# Altium PCB BTF16_2 (2).PcbDoc (part 1 of 4) (continued)
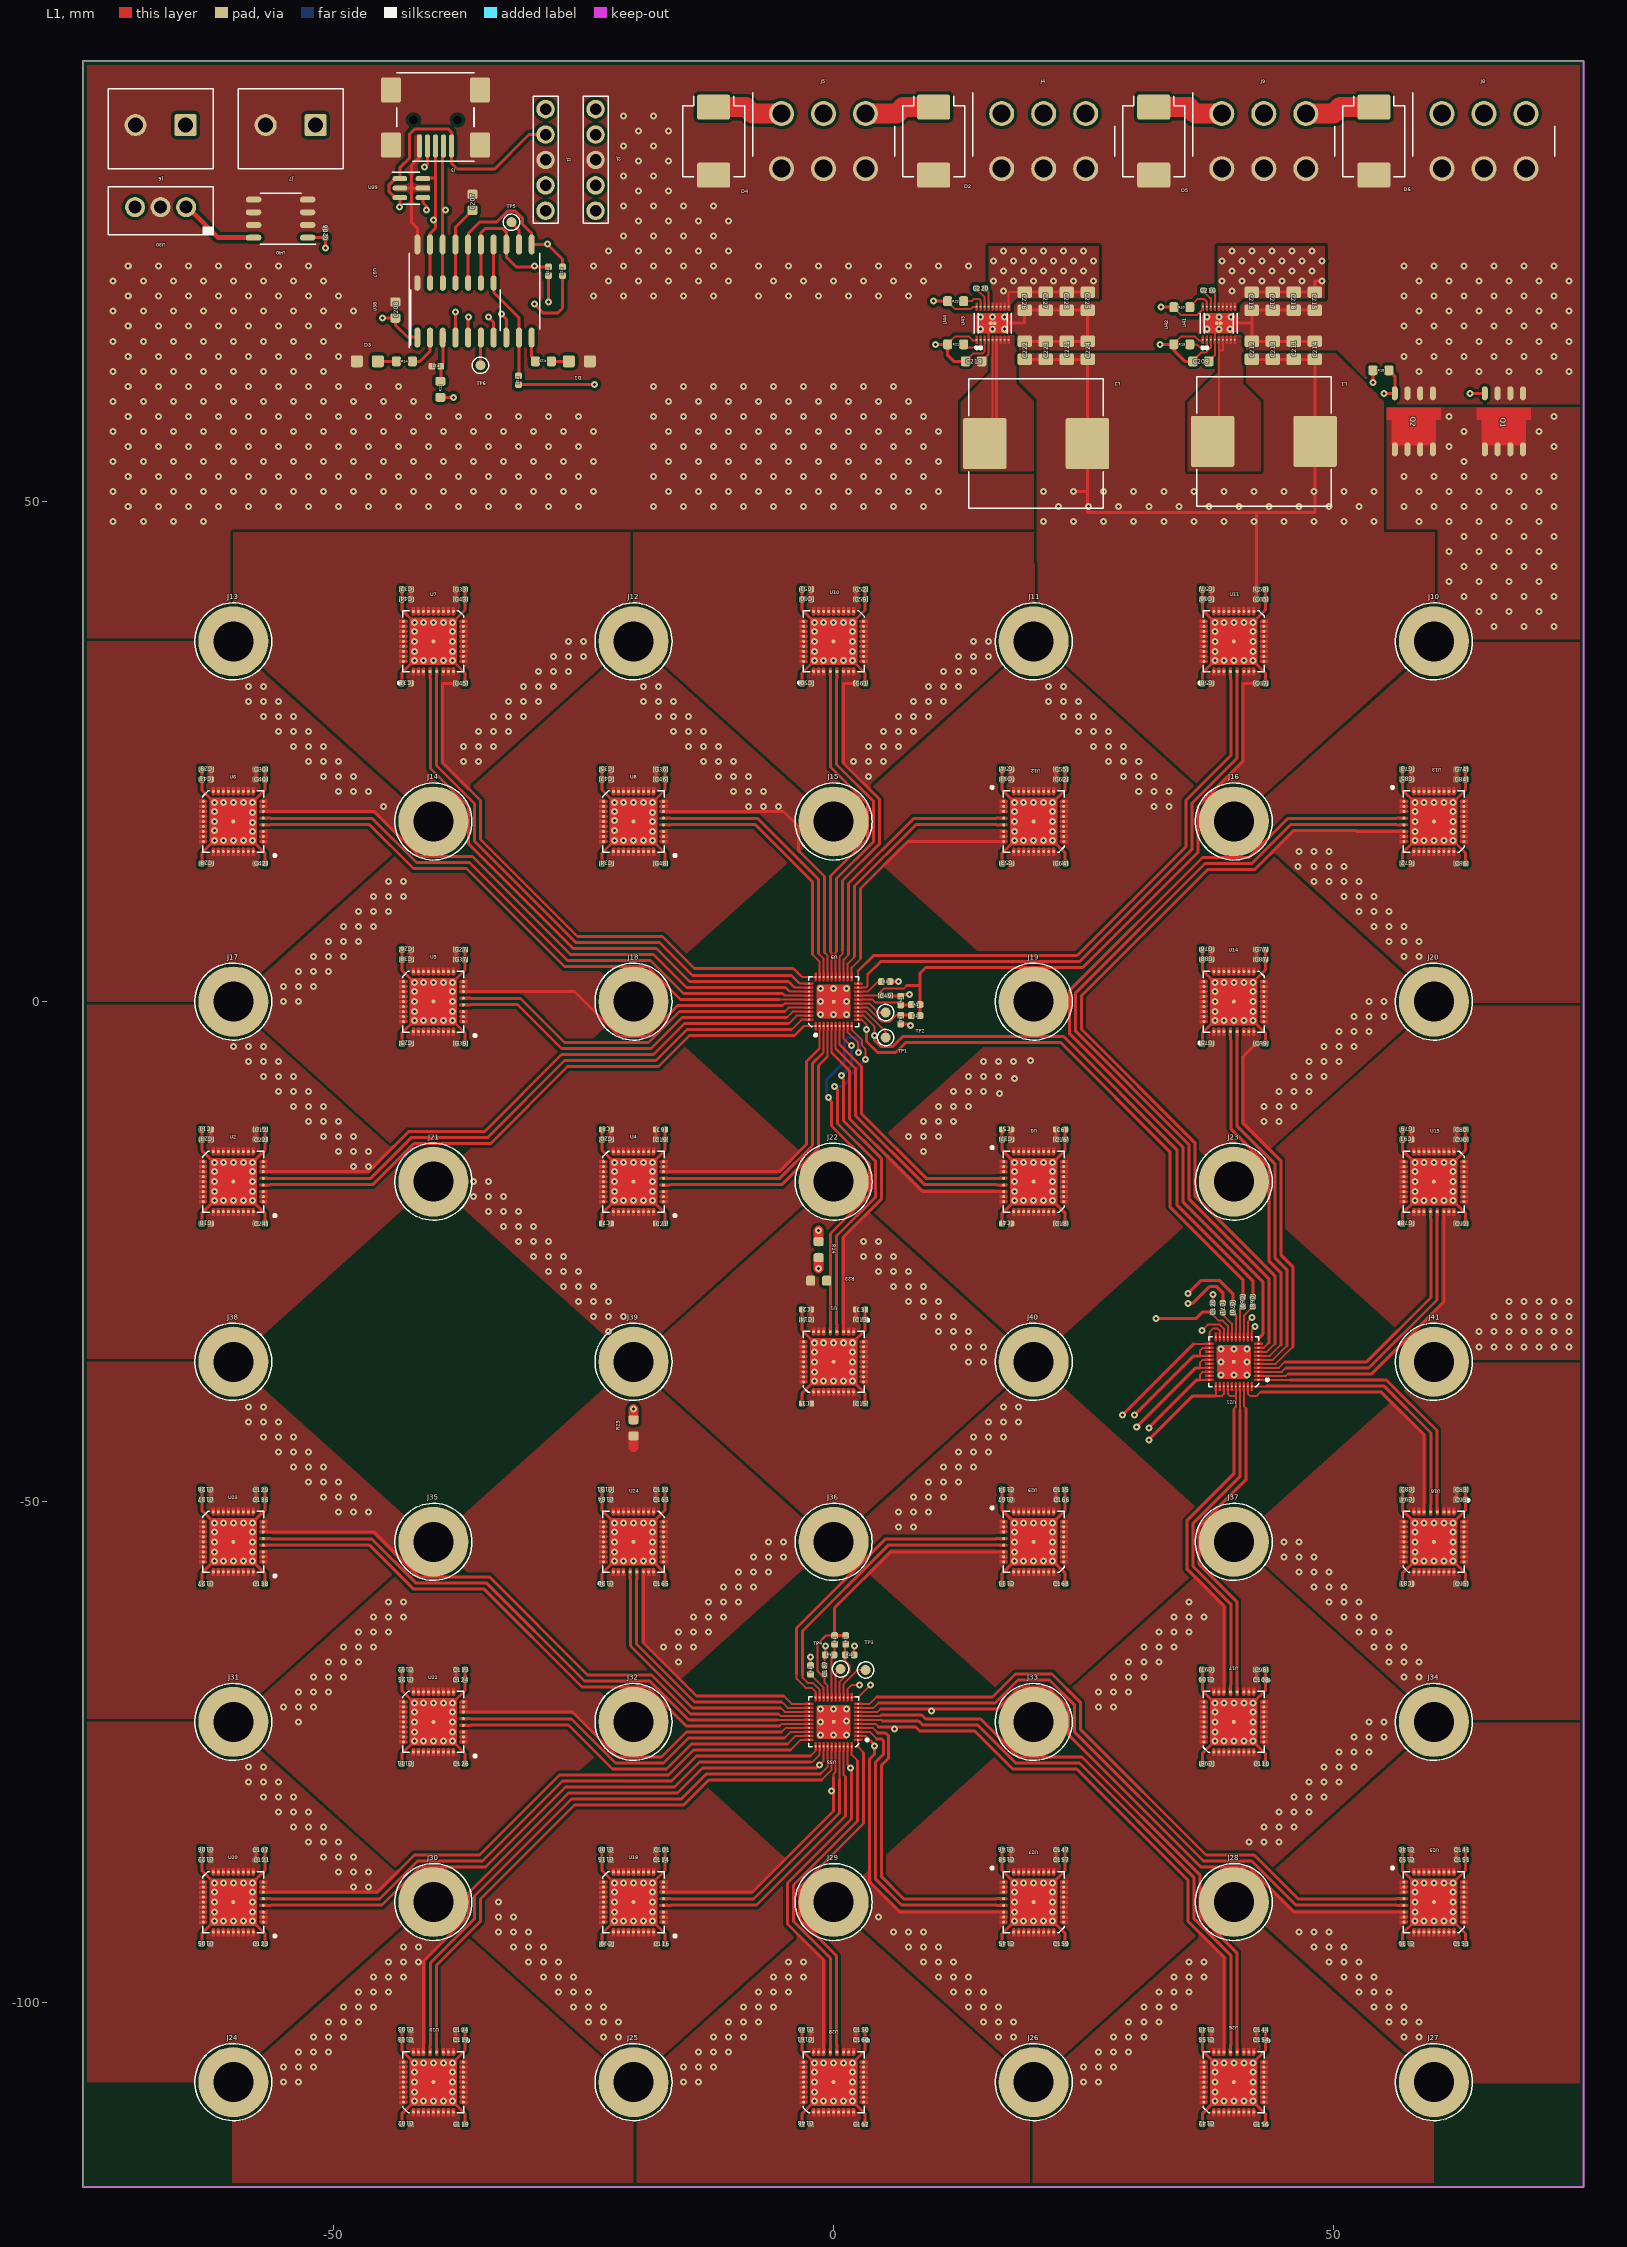
[diagram p0: L1 view]
## Design rules (kind name [scope] priority, off if disabled: settings) (continued)
PolygonConnect "Polygon Connect Style - L4 Square thru-hole pad from global defaults" [IsPad And OnMultiLayer And ((PadShape_BottomLayer = 'Rectangular') Or (PadShape_BottomLayer = 'Octagonal') Or (PadShape_BottomLayer = 'Rounded Rectangle')) And (PadXSize_BottomLayer = PADYSize_BottomLayer) vs Layer = 'L4'] p31: connectstyle=Relief reliefconductorwidth=0.5 reliefentries=4 polygonreliefangle="90 Angle" airgapwidth=0.254
PolygonConnect "Polygon Connect Style - L3 Square thru-hole pad from global defaults" [IsPad And OnMultiLayer And ((PadShape_MidLayer2 = 'Rectangular') Or (PadShape_MidLayer2 = 'Octagonal') Or (PadShape_MidLayer2 = 'Rounded Rectangle')) And (PadXSize_MidLayer2 = PADYSize_MidLayer2) vs Layer = 'L3'] p32: connectstyle=Relief reliefconductorwidth=0.5 reliefentries=4 polygonreliefangle="90 Angle" airgapwidth=0.254
PolygonConnect "Polygon Connect Style - L2 Square thru-hole pad from global defaults" [IsPad And OnMultiLayer And ((PadShape_MidLayer1 = 'Rectangular') Or (PadShape_MidLayer1 = 'Octagonal') Or (PadShape_MidLayer1 = 'Rounded Rectangle')) And (PadXSize_MidLayer1 = PADYSize_MidLayer1) vs Layer = 'L2'] p33: connectstyle=Relief reliefconductorwidth=0.5 reliefentries=4 polygonreliefangle="90 Angle" airgapwidth=0.254
PolygonConnect "Polygon Connect Style - L1 Square thru-hole pad from global defaults" [IsPad And OnMultiLayer And ((PadShape_TopLayer = 'Rectangular') Or (PadShape_TopLayer = 'Octagonal') Or (PadShape_TopLayer = 'Rounded Rectangle')) And (PadXSize_TopLayer = PADYSize_TopLayer) vs Layer = 'L1'] p34: connectstyle=Relief reliefconductorwidth=0.5 reliefentries=4 polygonreliefangle="90 Angle" airgapwidth=0.254
PolygonConnect "Polygon Connect Style - L4 Rect thru-hole pad from global defaults" [IsPad And OnMultiLayer And ((PadShape_BottomLayer = 'Rectangular') Or (PadShape_BottomLayer = 'Octagonal') Or (PadShape_BottomLayer = 'Rounded Rectangle')) And (PadXSize_BottomLayer <> PADYSize_BottomLayer) vs Layer = 'L4'] p35: connectstyle=Relief reliefconductorwidth=0.5 reliefentries=4 polygonreliefangle="90 Angle" airgapwidth=0.254
PolygonConnect "Polygon Connect Style - L4 Square-rect thru-hole pad from global defaults" [IsPad And OnMultiLayer And (PadShape_BottomLayer = 'Rounded Rectangle') And (PadXSize_BottomLayer = PADYSize_BottomLayer) And (Pad_CornerRadius_BottomLayer = '0%') vs Layer = 'L4'] p36: connectstyle=Relief reliefconductorwidth=0.5 reliefentries=4 polygonreliefangle="90 Angle" airgapwidth=0.254
PolygonConnect "Polygon Connect Style - L3 Rect thru-hole pad from global defaults" [IsPad And OnMultiLayer And ((PadShape_MidLayer2 = 'Rectangular') Or (PadShape_MidLayer2 = 'Octagonal') Or (PadShape_MidLayer2 = 'Rounded Rectangle')) And (PadXSize_MidLayer2 <> PADYSize_MidLayer2) vs Layer = 'L3'] p37: connectstyle=Relief reliefconductorwidth=0.5 reliefentries=4 polygonreliefangle="90 Angle" airgapwidth=0.254
PolygonConnect "Polygon Connect Style - L3 Square-rect thru-hole pad from global defaults" [IsPad And OnMultiLayer And (PadShape_MidLayer2 = 'Rounded Rectangle') And (PadXSize_MidLayer2 = PADYSize_MidLayer2) And (Pad_CornerRadius_MidLayer2 = '0%') vs Layer = 'L3'] p38: connectstyle=Relief reliefconductorwidth=0.5 reliefentries=4 polygonreliefangle="90 Angle" airgapwidth=0.254
PolygonConnect "Polygon Connect Style - L2 Rect thru-hole pad from global defaults" [IsPad And OnMultiLayer And ((PadShape_MidLayer1 = 'Rectangular') Or (PadShape_MidLayer1 = 'Octagonal') Or (PadShape_MidLayer1 = 'Rounded Rectangle')) And (PadXSize_MidLayer1 <> PADYSize_MidLayer1) vs Layer = 'L2'] p39: connectstyle=Relief reliefconductorwidth=0.5 reliefentries=4 polygonreliefangle="90 Angle" airgapwidth=0.254
PolygonConnect "Polygon Connect Style - L2 Square-rect thru-hole pad from global defaults" [IsPad And OnMultiLayer And (PadShape_MidLayer1 = 'Rounded Rectangle') And (PadXSize_MidLayer1 = PADYSize_MidLayer1) And (Pad_CornerRadius_MidLayer1 = '0%') vs Layer = 'L2'] p40: connectstyle=Relief reliefconductorwidth=0.5 reliefentries=4 polygonreliefangle="90 Angle" airgapwidth=0.254
PolygonConnect "Polygon Connect Style - L1 Rect thru-hole pad from global defaults" [IsPad And OnMultiLayer And ((PadShape_TopLayer = 'Rectangular') Or (PadShape_TopLayer = 'Octagonal') Or (PadShape_TopLayer = 'Rounded Rectangle')) And (PadXSize_TopLayer <> PADYSize_TopLayer) vs Layer = 'L1'] p41: connectstyle=Relief reliefconductorwidth=0.5 reliefentries=4 polygonreliefangle="90 Angle" airgapwidth=0.254
PolygonConnect "Polygon Connect Style - L1 Square-rect thru-hole pad from global defaults" [IsPad And OnMultiLayer And (PadShape_TopLayer = 'Rounded Rectangle') And (PadXSize_TopLayer = PADYSize_TopLayer) And (Pad_CornerRadius_TopLayer = '0%') vs Layer = 'L1'] p42: connectstyle=Relief reliefconductorwidth=0.5 reliefentries=4 polygonreliefangle="90 Angle" airgapwidth=0.254
PolygonConnect "Polygon Connect Style - L4 Oval thru-hole pad from global defaults" [IsPad And OnMultiLayer And (PadShape_BottomLayer = 'Round') And (PadXSize_BottomLayer <> PADYSize_BottomLayer) vs Layer = 'L4'] p43: connectstyle=Relief reliefconductorwidth=0.5 reliefentries=4 polygonreliefangle="90 Angle" airgapwidth=0.254
PolygonConnect "Polygon Connect Style - L4 Round-oval thru-hole pad from global defaults" [IsPad And OnMultiLayer And (PadShape_BottomLayer = 'Rounded Rectangle') And (PadXSize_BottomLayer = PADYSize_BottomLayer) And (Pad_CornerRadius_BottomLayer = '100%') vs Layer = 'L4'] p44: connectstyle=Relief reliefconductorwidth=0.5 reliefentries=4 polygonreliefangle="90 Angle" airgapwidth=0.254
PolygonConnect "Polygon Connect Style - L3 Oval thru-hole pad from global defaults" [IsPad And OnMultiLayer And (PadShape_MidLayer2 = 'Round') And (PadXSize_MidLayer2 <> PADYSize_MidLayer2) vs Layer = 'L3'] p45: connectstyle=Relief reliefconductorwidth=0.5 reliefentries=4 polygonreliefangle="90 Angle" airgapwidth=0.254
PolygonConnect "Polygon Connect Style - L3 Round-oval thru-hole pad from global defaults" [IsPad And OnMultiLayer And (PadShape_MidLayer2 = 'Rounded Rectangle') And (PadXSize_MidLayer2 = PADYSize_MidLayer2) And (Pad_CornerRadius_MidLayer2 = '100%') vs Layer = 'L3'] p46: connectstyle=Relief reliefconductorwidth=0.5 reliefentries=4 polygonreliefangle="90 Angle" airgapwidth=0.254
PolygonConnect "Polygon Connect Style - L2 Oval thru-hole pad from global defaults" [IsPad And OnMultiLayer And (PadShape_MidLayer1 = 'Round') And (PadXSize_MidLayer1 <> PADYSize_MidLayer1) vs Layer = 'L2'] p47: connectstyle=Relief reliefconductorwidth=0.5 reliefentries=4 polygonreliefangle="90 Angle" airgapwidth=0.254
PolygonConnect "Polygon Connect Style - L2 Round-oval thru-hole pad from global defaults" [IsPad And OnMultiLayer And (PadShape_MidLayer1 = 'Rounded Rectangle') And (PadXSize_MidLayer1 = PADYSize_MidLayer1) And (Pad_CornerRadius_MidLayer1 = '100%') vs Layer = 'L2'] p48: connectstyle=Relief reliefconductorwidth=0.5 reliefentries=4 polygonreliefangle="90 Angle" airgapwidth=0.254
PolygonConnect "Polygon Connect Style - L1 Oval thru-hole pad from global defaults" [IsPad And OnMultiLayer And (PadShape_TopLayer = 'Round') And (PadXSize_TopLayer <> PADYSize_TopLayer) vs Layer = 'L1'] p49: connectstyle=Relief reliefconductorwidth=0.5 reliefentries=4 polygonreliefangle="90 Angle" airgapwidth=0.254
PolygonConnect "Polygon Connect Style - L1 Round-oval thru-hole pad from global defaults" [IsPad And OnMultiLayer And (PadShape_TopLayer = 'Rounded Rectangle') And (PadXSize_TopLayer = PADYSize_TopLayer) And (Pad_CornerRadius_TopLayer = '100%') vs Layer = 'L1'] p50: connectstyle=Relief reliefconductorwidth=0.5 reliefentries=4 polygonreliefangle="90 Angle" airgapwidth=0.254
PolygonConnect [All] p51: connectstyle=Relief reliefconductorwidth=0.254 reliefentries=4 polygonreliefangle="90 Angle" airgapwidth=0.254
RoutingLayers "'Default' PADS rule_3" [All] p1: top layer_v5=TRUE mid layer 1_v5=TRUE mid layer 2_v5=TRUE bottom layer_v5=TRUE
RoutingPriority "'Default' PADS rule_2" [All] p1: routingpriority=3
RoutingTopology "'Default' PADS rule" [All] p1: topology=Shortest
RoutingVias "'Default' PADS rule_4" [All] p1: holewidth=0.3 width=0.7 viastyle="Through Hole" minholewidth=0.3 minwidth=0.7 maxholewidth=0.3 maxwidth=0.7
SMDToCorner "'Default' PADS rule_9" [All] p1: distance=39370
SMDToPlane "'Default' PADS rule_10" [All] p1: distance=39370
SolderMaskExpansion [All] p1: expansion=0.102
Width "'Default' PADS rule_6" [All] p1: maxlimit=3 minlimit=0.2 preferedwidth=0.3
22 further rules are at their usual default settings.

## Classes and differential pairs
pad class Flooded: C1-1 C1-2 C2-1 C2-2 C3-1 C3-2 C4-1 C4-2 C5-1 C5-2 C6-1 C6-2 C7-1 C7-2 C8-1 C8-2 C9-1 C9-2 C10-1 C10-2 C11-1 C11-2 C12-1 C12-2 C13-1 C13-2 C14-1 C14-2 C15-1 C15-2 C16-1 C16-2 C17-1 C17-2 C18-1 C18-2 C19-1 C19-2 C20-1 C20-2 C21-1 C21-2 C22-1 C22-2 C23-1 C23-2 C24-1 C24-2 C25-1 C25-2 C26-1 C26-2 C27-1 C27-2 C28-1 C28-2 C29-1 C29-2 C30-1 C30-2 C31-1 C31-2 C32-1 C32-2 C33-1 C33-2 C34-1 C34-2 C35-1 C35-2 C36-1 C36-2 C37-1 C37-2 C38-1 C38-2 C39-1 C39-2 C40-1 C40-2 C41-1 C41-2 C42-1 C42-2 C43-1 C43-2 C44-1 C44-2 C45-1 C45-2 C46-1 C46-2 C47-1 C47-2 C48-1 C48-2 C49-1 C49-2 C50-1 C50-2 C51-1 C51-2 C52-1 C52-2 C53-1 C53-2 C54-1 C54-2 C55-1 C55-2 C56-1 C56-2 C57-1 C57-2 C58-1 C58-2 C59-1 C59-2 C60-1 C60-2 C61-1 C61-2 C62-1 C62-2 C63-1 C63-2 C64-1 C64-2 C65-1 C65-2 C66-1 C66-2 C67-1 C67-2 C68-1 C68-2 C69-1 C69-2 C70-1 C70-2 C71-1 C71-2 C72-1 C72-2 C73-1 C73-2 C74-1 C74-2 C75-1 C75-2 C76-1 C76-2 C77-1 C77-2 C78-1 C78-2 C79-1 C79-2 C80-1 C80-2 C81-1 C81-2 C82-1 C82-2 C83-1 C83-2 C84-1 C84-2 C85-1 C85-2 C86-1 C86-2 C87-1 C87-2 C88-1 C88-2 C89-1 C89-2 C90-1 C90-2 C91-1 C91-2 C92-1 C92-2 C93-1 C93-2 C94-1 C94-2 C95-1 C95-2 C96-1 C96-2 C97-1 C97-2 C98-1 C98-2 C99-1 C99-2 C100-1 C100-2 C101-1 C101-2 C102-1 C102-2 C103-1 C103-2 C104-1 C104-2 C105-1 C105-2 C106-1 C106-2 C107-1 C107-2 C108-1 C108-2 C109-1 C109-2 C110-1 C110-2 C111-1 C111-2 C112-1 C112-2 C113-1 C113-2 C114-1 C114-2 C115-1 C115-2 C116-1 C116-2 C117-1 C117-2 C118-1 C118-2 C119-1 C119-2 C120-1 C120-2 C121-1 C121-2 C122-1 C122-2 C123-1 C123-2 C124-1 C124-2 C125-1 C125-2 C126-1 C126-2 C127-1 C127-2 C128-1 C128-2 C129-1 C129-2 C130-1 C130-2 C131-1 C131-2 C132-1 C132-2 C133-1 C133-2 C134-1 C134-2 C135-1 C135-2 C136-1 C136-2 C137-1 C137-2 C138-1 C138-2 C139-1 C139-2 C140-1 C140-2 C141-1 C141-2 C142-1 C142-2 C143-1 C143-2 C144-1 C144-2 C145-1 C145-2 C146-1 C146-2 C147-1 C147-2 C148-1 C148-2 C149-1 C149-2 C150-1 C150-2 C151-1 C151-2 C152-1 C152-2 C153-1 C153-2 C154-1 C154-2 C155-1 C155-2 C156-1 C156-2 C157-1 C157-2 C158-1 C158-2 C159-1 C159-2 C160-1 C160-2 C161-1 C161-2 C162-1 C162-2 C163-1 C163-2 C164-1 C164-2 C165-1 C165-2 C166-1 C166-2 C167-1 C167-2 C168-1 C168-2 C187-1 C187-2 C206-1 C206-2 C207-1 C207-2 C208-1 C208-2 C209-1 C209-2 C210-1 C210-2 C211-1 C211-2 C212-1 C212-2 C213-1 C213-2 C214-1 C214-2 C215-1 C215-2 C216-1 C216-2 C217-1 C217-2 C218-1 C218-2 C219-1 C219-2 C220-1 C220-2 C221-1 C221-2 C222-1 C222-2 C223-1 C223-2 C224-1 C224-2 C225-1 C225-2 C226-1 C226-2 C227-1 C227-2 C228-1 C228-2 D1-1 D1-2 D2-1 D2-2 D3-1 D3-2 D4-1 D4-2 D5-1 D5-2 D6-1 D6-2 J1-1 J1-2 J1-3 J1-4 J1-5 J2-1 J2-2 J2-3 J2-4 J2-5 J3-1 J3-2 J3-3 J3-4 J3-5 J3-6 J3-7 J3-8 J3-9 J3-10 J3-11 J4-1 J4-2 J4-3 J4-4 J4-5 J4-6 J5-1 J5-2 J5-3 J5-4 J5-5 J5-6 J6-1 J6-2 J7-1 J7-2 J8-1 J8-2 J8-3 J8-4 J8-5 J8-6 J9-1 J9-2 J9-3 J9-4 J9-5 J9-6 J10-1 J11-1 J12-1 J13-1 J14-1 J15-1 J16-1 J17-1 J18-1 J19-1 J20-1 J21-1 J22-1 J23-1 J24-1 J25-1 J26-1 J27-1 J28-1 J29-1 J30-1 J31-1 J32-1 J33-1 J34-1 J35-1 J36-1 J37-1 J38-1 J39-1 J40-1 J41-1 L1-1 L1-2 L2-1 L2-2 Q1-1 Q1-2 Q1-3 Q1-4 Q1-5 Q1-6 Q1-7 Q1-8 Q2-1 Q2-2 Q2-3 Q2-4 Q2-5 Q2-6 Q2-7 Q2-8 R1-1 R1-2 R2-1 R2-2 R3-1 R3-2 R4-1 R4-2 R5-1 R5-2 R6-1 R6-2 R7-1 R7-2 R8-1 R8-2 R9-1 R9-2 R10-1 R10-2 R11-1 R11-2 R12-1 R12-2 R13-1 R13-2 R14-1 R14-2 R15-1 R15-2 R16-1 R16-2 R17-1 R17-2 R18-1 R18-2 R19-1 R19-2 R20-1 R20-2 R21-1 R21-2 R22-1 R22-2 R23-1 R23-2 R24-1 R24-2 R25-1 R25-2 TP1-1 TP2-1 TP3-1 TP4-1 TP5-1 TP6-1 U1-1 U1-2 U1-3 U1-4 U1-5 U1-6 U1-7 U1-8 U1-9 U1-10 U1-11 U1-12 U1-13 U1-14 U1-15 U1-16 U1-17 U1-18 U1-19 U1-20 U1-21 U1-22 U1-23 U1-24 U1-25 U1-26 U1-27 U1-28 U1-29 U1-30 U1-31 U1-32 U1-33 U1-34 U1-35 U1-36 U2-1 U2-2 U2-3 U2-4 U2-5 U2-6 U2-7 U2-8 U2-9 U2-10 U2-11 U2-12 U2-13 U2-14 U2-15 U2-16 U2-17 U2-18 U2-19 U2-20 U2-21 U2-22 U2-23 U2-24 U2-25 U2-26 U2-27 U2-28 U2-29 U2-30 U2-31 U2-32 U2-33 U2-34 U2-35 U2-36 U3-1 U3-2 U3-3 U3-4 U3-5 U3-6 U3-7 U3-8 U3-9 U3-10 U3-11 U3-12 U3-13 U3-14 U3-15 U3-16 U3-17 U3-18 U3-19 U3-20 U3-21 U3-22 U3-23 U3-24 U3-25 U3-26 U3-27 U3-28 U3-29 U3-30 U3-31 U3-32 U3-33 U3-34 U3-35 U3-36 U4-1 U4-2 U4-3 U4-4 U4-5 U4-6 U4-7 U4-8 U4-9 U4-10 U4-11 U4-12 U4-13 U4-14 U4-15 U4-16 U4-17 U4-18 U4-19 U4-20 U4-21 U4-22 U4-23 U4-24 U4-25 U4-26 U4-27 U4-28 U4-29 U4-30 U4-31 U4-32 U4-33 U4-34 U4-35 U4-36 U5-1 U5-2 U5-3 U5-4 U5-5 U5-6 U5-7 U5-8 U5-9 U5-10 U5-11 U5-12 U5-13 U5-14 U5-15 U5-16 U5-17 U5-18 U5-19 U5-20 U5-21 U5-22 U5-23 U5-24 U5-25 U5-26 U5-27 U5-28 U5-29 U5-30 U5-31 U5-32 U5-33 U5-34 U5-35 U5-36 U6-1 U6-2 U6-3 U6-4 U6-5 U6-6 U6-7 U6-8 U6-9 U6-10 U6-11 U6-12 U6-13 U6-14 U6-15 U6-16 U6-17 U6-18 U6-19 U6-20 U6-21 U6-22 U6-23 U6-24 U6-25 U6-26 U6-27 U6-28 U6-29 U6-30 U6-31 U6-32 U6-33 U6-34 U6-35 U6-36 U7-1 U7-2 U7-3 U7-4 U7-5 U7-6 U7-7 U7-8 U7-9 U7-10 U7-11 U7-12 U7-13 U7-14 U7-15 U7-16 U7-17 U7-18 U7-19 U7-20 U7-21 U7-22 U7-23 U7-24 U7-25 U7-26 U7-27 U7-28 U7-29 U7-30 U7-31 U7-32 U7-33 U7-34 U7-35 U7-36 U8-1 U8-2 U8-3 U8-4 U8-5 U8-6 U8-7 U8-8 U8-9 U8-10 U8-11 U8-12 U8-13 U8-14 U8-15 U8-16 U8-17 U8-18 U8-19 U8-20 U8-21 U8-22 U8-23 U8-24 U8-25 U8-26 U8-27 U8-28 U8-29 U8-30 U8-31 U8-32 U8-33 U8-34 U8-35 U8-36 U9-1 U9-2 U9-3 U9-4 U9-5 U9-6 U9-7 U9-8 U9-9 U9-10 U9-11 U9-12 U9-13 U9-14 U9-15 U9-16 U9-17 U9-18 U9-19 U9-20 U9-21 U9-22 U9-23 U9-24 U9-25 U9-26 U9-27 U9-28 U9-29 U9-30 U9-31 U9-32 U9-33 U9-34 U9-35 U9-36 U9-37 U9-38 U9-39 U9-40 U9-41 U10-1 U10-2 U10-3 U10-4 U10-5 U10-6 U10-7 U10-8 U10-9 U10-10 U10-11 U10-12 U10-13 U10-14 U10-15 U10-16 U10-17 U10-18 U10-19 U10-20 U10-21 U10-22 U10-23 U10-24 U10-25 U10-26 U10-27 U10-28 U10-29 U10-30 U10-31 U10-32 U10-33 U10-34 U10-35 U10-36 U11-1 U11-2 U11-3 U11-4 U11-5 U11-6 U11-7 U11-8 U11-9 U11-10 U11-11 U11-12 U11-13 U11-14 U11-15 U11-16 U11-17 U11-18 U11-19 U11-20 U11-21 U11-22 U11-23 U11-24 U11-25 U11-26 U11-27 U11-28 U11-29 U11-30 U11-31 U11-32 U11-33 U11-34 U11-35 U11-36 U12-1 U12-2 U12-3 U12-4 U12-5 U12-6 U12-7 U12-8 U12-9 U12-10 U12-11 U12-12 U12-13 U12-14 U12-15 U12-16 U12-17 U12-18 U12-19 U12-20 U12-21 U12-22 U12-23 U12-24 U12-25 U12-26 U12-27 U12-28 U12-29 U12-30 U12-31 U12-32 U12-33 U12-34 U12-35 U12-36 U13-1 U13-2 U13-3 U13-4 U13-5 U13-6 U13-7 U13-8 U13-9 U13-10 U13-11 U13-12 U13-13 U13-14 U13-15 U13-16 U13-17 U13-18 U13-19 U13-20 U13-21 U13-22 U13-23 U13-24 U13-25 U13-26 U13-27 U13-28 U13-29 U13-30 U13-31 U13-32 U13-33 U13-34 U13-35 U13-36 U14-1 U14-2 U14-3 U14-4 U14-5 U14-6 U14-7 U14-8 U14-9 U14-10 U14-11 U14-12 U14-13 U14-14 U14-15 U14-16 U14-17 U14-18 U14-19 U14-20 U14-21 U14-22 U14-23 U14-24 U14-25 U14-26 U14-27 U14-28 U14-29 U14-30 U14-31 U14-32 U14-33 U14-34 U14-35 U14-36 U15-1 U15-2 U15-3 U15-4 U15-5 U15-6 U15-7 U15-8 U15-9 U15-10 U15-11 U15-12 U15-13 U15-14 U15-15 U15-16 U15-17 U15-18 U15-19 U15-20 U15-21 U15-22 U15-23 U15-24 U15-25 U15-26 U15-27 U15-28 U15-29 U15-30 U15-31 U15-32 U15-33 U15-34 U15-35 U15-36 U16-1 U16-2 U16-3 U16-4 U16-5 U16-6 U16-7 U16-8 U16-9 U16-10 U16-11 U16-12 U16-13 U16-14 U16-15 U16-16 U16-17 U16-18 U16-19 U16-20 U16-21 U16-22 U16-23 U16-24 U16-25 U16-26 U16-27 U16-28 U16-29 U16-30 U16-31 U16-32 U16-33 U16-34 U16-35 U16-36 U17-1 U17-2 U17-3 U17-4 U17-5 U17-6 U17-7 U17-8 U17-9 U17-10 U17-11 U17-12 U17-13 U17-14 U17-15 U17-16 U17-17 U17-18 U17-19 U17-20 U17-21 U17-22 U17-23 U17-24 U17-25 U17-26 U17-27 U17-28 U17-29 U17-30 U17-31 U17-32 U17-33 U17-34 U17-35 U17-36 U18-1 U18-2 U18-3 U18-4 U18-5 U18-6 U18-7 U18-8 U18-9 U18-10 U18-11 U18-12 U18-13 U18-14 U18-15 U18-16 U18-17 U18-18 U18-19 U18-20 U18-21 U18-22 U18-23 U18-24 U18-25 U18-26 U18-27 U18-28 U18-29 U18-30 U18-31 U18-32 U18-33 U18-34 U18-35 U18-36 U19-1 U19-2 U19-3 U19-4 U19-5 U19-6 U19-7 U19-8 U19-9 U19-10 U19-11 U19-12 U19-13 U19-14 U19-15 U19-16 U19-17 U19-18 U19-19 U19-20 U19-21 U19-22 U19-23 U19-24 U19-25 U19-26 U19-27 U19-28 U19-29 U19-30 U19-31 U19-32 U19-33 U19-34 U19-35 U19-36 U20-1 U20-2 U20-3 U20-4 U20-5 U20-6 U20-7 U20-8 U20-9 U20-10 U20-11 U20-12 U20-13 U20-14 U20-15 U20-16 U20-17 U20-18 U20-19 U20-20 U20-21 U20-22 U20-23 U20-24 U20-25 U20-26 U20-27 U20-28 U20-29 U20-30 U20-31 U20-32 U20-33 U20-34 U20-35 U20-36 U21-1 U21-2 U21-3 U21-4 U21-5 U21-6 U21-7 U21-8 U21-9 U21-10 U21-11 U21-12 U21-13 U21-14 U21-15 U21-16 U21-17 U21-18 U21-19 U21-20 U21-21 U21-22 U21-23 U21-24 U21-25 U21-26 U21-27 U21-28 U21-29 U21-30 U21-31 U21-32 U21-33 U21-34 U21-35 U21-36 U21-37 U21-38 U21-39 U21-40 U21-41 U22-1 U22-2 U22-3 U22-4 U22-5 U22-6 U22-7 U22-8 U22-9 U22-10 U22-11 U22-12 U22-13 U22-14 U22-15 U22-16 U22-17 U22-18 U22-19 U22-20 U22-21 U22-22 U22-23 U22-24 U22-25 U22-26 U22-27 U22-28 U22-29 U22-30 U22-31 U22-32 U22-33 U22-34 U22-35 U22-36 U23-1 U23-2 U23-3 U23-4 U23-5 U23-6 U23-7 U23-8 U23-9 U23-10 U23-11 U23-12 U23-13 U23-14 U23-15 U23-16 U23-17 U23-18 U23-19 U23-20 U23-21 U23-22 U23-23 U23-24 U23-25 U23-26 U23-27 U23-28 U23-29 U23-30 U23-31 U23-32 U23-33 U23-34 U23-35 U23-36 U24-1 U24-2 U24-3 U24-4 U24-5 U24-6 U24-7 U24-8 U24-9 U24-10 U24-11 U24-12 U24-13 U24-14 U24-15 U24-16 U24-17 U24-18 U24-19 U24-20 U24-21 U24-22 U24-23 U24-24 U24-25 U24-26 U24-27 U24-28 U24-29 U24-30 U24-31 U24-32 U24-33 U24-34 U24-35 U24-36 U25-1 U25-2 U25-3 U25-4 U25-5 U25-6 U25-7 U25-8 U25-9 U25-10 U25-11 U25-12 U25-13 U25-14 U25-15 U25-16 U25-17 U25-18 U25-19 U25-20 U25-21 U25-22 U25-23 U25-24 U25-25 U25-26 U25-27 U25-28 U25-29 U25-30 U25-31 U25-32 U25-33 U25-34 U25-35 U25-36 U26-1 U26-2 U26-3 U26-4 U26-5 U26-6 U26-7 U26-8 U26-9 U26-10 U26-11 U26-12 U26-13 U26-14 U26-15 U26-16 U26-17 U26-18 U26-19 U26-20 U26-21 U26-22 U26-23 U26-24 U26-25 U26-26 U26-27 U26-28 U26-29 U26-30 U26-31 U26-32 U26-33 U26-34 U26-35 U26-36 U27-1 U27-2 U27-3 U27-4 U27-5 U27-6 U27-7 U27-8 U27-9 U27-10 U27-11 U27-12 U27-13 U27-14 U27-15 U27-16 U27-17 U27-18 U27-19 U27-20 U27-21 U27-22 U27-23 U27-24 U27-25 U27-26 U27-27 U27-28 U27-29 U27-30 U27-31 U27-32 U27-33 U27-34 U27-35 U27-36 U28-1 U28-2 U28-3 U28-4 U28-5 U28-6 U28-7 U28-8 U28-9 U28-10 U28-11 U28-12 U28-13 U28-14 U28-15 U28-16 U28-17 U28-18 U28-19 U28-20 U28-21 U28-22 U28-23 U28-24 U28-25 U28-26 U28-27 U28-28 U28-29 U28-30 U28-31 U28-32 U28-33 U28-34 U28-35 U28-36 U29-1 U29-2 U29-3 U29-4 U29-5 U29-6 U29-7 U29-8 U29-9 U29-10 U29-11 U29-12 U29-13 U29-14 U29-15 U29-16 U29-17 U29-18 U29-19 U29-20 U29-21 U29-22 U29-23 U29-24 U29-25 U29-26 U29-27 U29-28 U29-29 U29-30 U29-31 U29-32 U29-33 U29-34 U29-35 U29-36 U30-1 U30-2 U30-3 U33-1 U33-2 U33-3 U33-4 U33-5 U33-6 U33-7 U33-8 U33-9 U33-10 U33-11 U33-12 U33-13 U33-14 U33-15 U33-16 U33-17 U33-18 U33-19 U33-20 U33-21 U33-22 U33-23 U33-24 U33-25 U33-26 U33-27 U33-28 U33-29 U33-30 U33-31 U33-32 U33-33 U33-34 U33-35 U33-36 U33-37 U33-38 U33-39 U33-40 U33-41 U37-1 U37-2 U37-3 U37-4 U37-5 U37-6 U37-7 U37-8 U37-9 U37-10 U37-11 U37-12 U37-13 U37-14 U37-15 U37-16 U37-17 U37-18 U37-19 U37-20 U38-1 U38-2 U38-3 U38-4 U38-5 U38-6 U38-7 U38-8 U38-9 U38-10 U38-11 U38-12 U38-13 U38-14 U39-1 U39-2 U39-3 U39-4 U39-5 U39-6 U40-1 U40-2 U40-3 U40-4 U40-5 U40-6 U40-7 U40-8 U41-1 U41-2 U41-3 U41-4 U41-5 U41-6 U41-7 U41-8 U41-9 U41-10 U41-11 U41-12 U41-13 U41-14 U41-15 U41-16 U41-17 U42-1 U42-2 U42-3 U42-4 U42-5 U42-6 U42-7 U42-8 U42-9 U42-10 U42-11 U42-12 U42-13 U42-14 U42-15 U42-16 U42-17 U43-1 U43-2 U43-3 U43-4 U43-5 U43-6 U43-7 U43-8 U43-9 U43-10 U43-11 U43-12 U43-13 U43-14 U43-15 U43-16 U43-17 U44-1 U44-2 U44-3 U44-4 U44-5 U44-6 U44-7 U44-8 U44-9 U44-10 U44-11 U44-12 U44-13 U44-14 U44-15 U44-16 U44-17

## Components (designator, comment, footprint, x,y, rotation, side; value= is the part's Value field where it differs from the comment)
C1 "SMD_0402_CAPC1005X70N" SMD_0402_CAPC1005X70N -2.701,-40.184 r180 top
C2 "SMD_0402_CAPC1005X70N" SMD_0402_CAPC1005X70N -2.701,-30.784 r180 top
C3 "SMD_0402_CAPC1005X70N" SMD_0402_CAPC1005X70N 2.699,-30.784 r0 top
C4 "SMD_0402_CAPC1005X70N" SMD_0402_CAPC1005X70N 17.299,-22.184 r180 top
C5 "SMD_0402_CAPC1005X70N" SMD_0402_CAPC1005X70N 17.299,-12.784 r180 top
C6 "SMD_0402_CAPC1005X70N" SMD_0402_CAPC1005X70N 22.699,-12.784 r0 top
C7 "SMD_0402_CAPC1005X70N" SMD_0402_CAPC1005X70N -22.701,-22.184 r180 top
C8 "SMD_0402_CAPC1005X70N" SMD_0402_CAPC1005X70N -22.701,-12.784 r180 top
C9 "SMD_0402_CAPC1005X70N" SMD_0402_CAPC1005X70N -17.301,-12.784 r0 top
C10 "SMD_0402_CAPC1005X70N" SMD_0402_CAPC1005X70N -62.701,-22.184 r180 top
C11 "SMD_0402_CAPC1005X70N" SMD_0402_CAPC1005X70N -62.701,-12.784 r180 top
C12 "SMD_0402_CAPC1005X70N" SMD_0402_CAPC1005X70N -57.301,-12.784 r0 top
C13 "SMD_0402_CAPC1005X70N" SMD_0402_CAPC1005X70N 2.699,-31.784 r0 top
C14 "SMD_0402_CAPC1005X70N" SMD_0402_CAPC1005X70N -2.701,-31.784 r180 top
C15 "SMD_0402_CAPC1005X70N" SMD_0402_CAPC1005X70N 2.699,-40.184 r0 top
C16 "SMD_0402_CAPC1005X70N" SMD_0402_CAPC1005X70N 22.699,-13.784 r0 top
C17 "SMD_0402_CAPC1005X70N" SMD_0402_CAPC1005X70N 17.299,-13.784 r180 top
C18 "SMD_0402_CAPC1005X70N" SMD_0402_CAPC1005X70N 22.699,-22.184 r0 top
C19 "SMD_0402_CAPC1005X70N" SMD_0402_CAPC1005X70N -17.301,-13.784 r0 top
C20 "SMD_0402_CAPC1005X70N" SMD_0402_CAPC1005X70N -22.701,-13.784 r180 top
C21 "SMD_0402_CAPC1005X70N" SMD_0402_CAPC1005X70N -17.301,-22.184 r0 top
C22 "SMD_0402_CAPC1005X70N" SMD_0402_CAPC1005X70N -57.301,-13.784 r0 top
C23 "SMD_0402_CAPC1005X70N" SMD_0402_CAPC1005X70N -62.701,-13.784 r180 top
C24 "SMD_0402_CAPC1005X70N" SMD_0402_CAPC1005X70N -57.301,-22.184 r0 top
C25 "SMD_0402_CAPC1005X70N" SMD_0402_CAPC1005X70N -42.701,-4.184 r180 top
C26 "SMD_0402_CAPC1005X70N" SMD_0402_CAPC1005X70N -42.701,5.216 r180 top
C27 "SMD_0402_CAPC1005X70N" SMD_0402_CAPC1005X70N -37.301,5.216 r0 top
C28 "SMD_0402_CAPC1005X70N" SMD_0402_CAPC1005X70N -62.701,13.816 r180 top
C29 "SMD_0402_CAPC1005X70N" SMD_0402_CAPC1005X70N -62.701,23.216 r180 top
C30 "SMD_0402_CAPC1005X70N" SMD_0402_CAPC1005X70N -57.301,23.216 r0 top
C31 "SMD_0402_CAPC1005X70N" SMD_0402_CAPC1005X70N -42.701,31.816 r180 top
C32 "SMD_0402_CAPC1005X70N" SMD_0402_CAPC1005X70N -42.701,41.216 r180 top
C33 "SMD_0402_CAPC1005X70N" SMD_0402_CAPC1005X70N -37.301,41.216 r0 top
C34 "SMD_0402_CAPC1005X70N" SMD_0402_CAPC1005X70N -22.701,13.816 r180 top
C35 "SMD_0402_CAPC1005X70N" SMD_0402_CAPC1005X70N -22.701,23.216 r180 top
C36 "SMD_0402_CAPC1005X70N" SMD_0402_CAPC1005X70N -17.301,23.216 r0 top
C37 "SMD_0402_CAPC1005X70N" SMD_0402_CAPC1005X70N -37.301,4.216 r0 top
C38 "SMD_0402_CAPC1005X70N" SMD_0402_CAPC1005X70N -42.701,4.216 r180 top
C39 "SMD_0402_CAPC1005X70N" SMD_0402_CAPC1005X70N -37.301,-4.184 r0 top
C40 "SMD_0402_CAPC1005X70N" SMD_0402_CAPC1005X70N -57.301,22.216 r0 top
C41 "SMD_0402_CAPC1005X70N" SMD_0402_CAPC1005X70N -62.701,22.216 r180 top
C42 "SMD_0402_CAPC1005X70N" SMD_0402_CAPC1005X70N -57.301,13.816 r0 top
C43 "SMD_0402_CAPC1005X70N" SMD_0402_CAPC1005X70N -37.301,40.216 r0 top
C44 "SMD_0402_CAPC1005X70N" SMD_0402_CAPC1005X70N -42.701,40.216 r180 top
C45 "SMD_0402_CAPC1005X70N" SMD_0402_CAPC1005X70N -37.301,31.816 r0 top
C46 "SMD_0402_CAPC1005X70N" SMD_0402_CAPC1005X70N -17.301,22.216 r0 top
C47 "SMD_0402_CAPC1005X70N" SMD_0402_CAPC1005X70N -22.701,22.216 r180 top
C48 "SMD_0402_CAPC1005X70N" SMD_0402_CAPC1005X70N -17.301,13.816 r0 top
C49 "SMD_0402_CAPC1005X55N" SMD_0402_CAPC1005X55N 5.2,0.6 r0 top
C50 "SMD_0402_CAPC1005X70N" SMD_0402_CAPC1005X70N -2.701,31.816 r180 top
C51 "SMD_0402_CAPC1005X70N" SMD_0402_CAPC1005X70N -2.701,41.216 r180 top
C52 "SMD_0402_CAPC1005X70N" SMD_0402_CAPC1005X70N 2.699,41.216 r0 top
C53 "SMD_0402_CAPC1005X70N" SMD_0402_CAPC1005X70N 17.299,13.816 r180 top
C54 "SMD_0402_CAPC1005X70N" SMD_0402_CAPC1005X70N 17.299,23.216 r180 top
C55 "SMD_0402_CAPC1005X70N" SMD_0402_CAPC1005X70N 22.699,23.216 r0 top
C56 "SMD_0402_CAPC1005X70N" SMD_0402_CAPC1005X70N 37.299,31.816 r180 top
C57 "SMD_0402_CAPC1005X70N" SMD_0402_CAPC1005X70N 37.299,41.216 r180 top
C58 "SMD_0402_CAPC1005X70N" SMD_0402_CAPC1005X70N 42.699,41.216 r0 top
C59 "SMD_0402_CAPC1005X70N" SMD_0402_CAPC1005X70N 2.699,40.216 r0 top
C60 "SMD_0402_CAPC1005X70N" SMD_0402_CAPC1005X70N -2.701,40.216 r180 top
C61 "SMD_0402_CAPC1005X70N" SMD_0402_CAPC1005X70N 2.699,31.816 r0 top
C62 "SMD_0402_CAPC1005X70N" SMD_0402_CAPC1005X70N 22.699,22.216 r0 top
C63 "SMD_0402_CAPC1005X70N" SMD_0402_CAPC1005X70N 17.299,22.216 r180 top
C64 "SMD_0402_CAPC1005X70N" SMD_0402_CAPC1005X70N 22.699,13.816 r0 top
C65 "SMD_0402_CAPC1005X70N" SMD_0402_CAPC1005X70N 42.699,40.216 r0 top
C66 "SMD_0402_CAPC1005X70N" SMD_0402_CAPC1005X70N 37.299,40.216 r180 top
C67 "SMD_0402_CAPC1005X70N" SMD_0402_CAPC1005X70N 42.699,31.816 r0 top
C68 "SMD_0402_CAPC1005X55N" SMD_0402_CAPC1005X55N 41.9,-30 r270 top
C69 "SMD_0402_CAPC1005X55N" SMD_0402_CAPC1005X55N 40.9,-30 r270 top
C70 "SMD_0402_CAPC1005X55N" SMD_0402_CAPC1005X55N 39.9,-30.6 r270 top
C71 "SMD_0402_CAPC1005X55N" SMD_0402_CAPC1005X55N 38.9,-30.6 r270 top
C72 "SMD_0402_CAPC1005X70N" SMD_0402_CAPC1005X70N 57.299,13.816 r180 top
C73 "SMD_0402_CAPC1005X70N" SMD_0402_CAPC1005X70N 57.299,23.216 r180 top
C74 "SMD_0402_CAPC1005X70N" SMD_0402_CAPC1005X70N 62.699,23.216 r0 top
C75 "SMD_0402_CAPC1005X70N" SMD_0402_CAPC1005X70N 37.299,-4.184 r180 top
C76 "SMD_0402_CAPC1005X70N" SMD_0402_CAPC1005X70N 37.299,5.216 r180 top
C77 "SMD_0402_CAPC1005X70N" SMD_0402_CAPC1005X70N 42.699,5.216 r0 top
C78 "SMD_0402_CAPC1005X70N" SMD_0402_CAPC1005X70N 57.299,-22.184 r180 top
C79 "SMD_0402_CAPC1005X70N" SMD_0402_CAPC1005X70N 57.299,-12.784 r180 top
C80 "SMD_0402_CAPC1005X70N" SMD_0402_CAPC1005X70N 62.699,-12.784 r0 top
C81 "SMD_0402_CAPC1005X70N" SMD_0402_CAPC1005X70N 57.299,-58.184 r180 top
C82 "SMD_0402_CAPC1005X70N" SMD_0402_CAPC1005X70N 57.299,-48.784 r180 top
C83 "SMD_0402_CAPC1005X70N" SMD_0402_CAPC1005X70N 62.699,-48.784 r0 top
C84 "SMD_0402_CAPC1005X70N" SMD_0402_CAPC1005X70N 62.699,22.216 r0 top
C85 "SMD_0402_CAPC1005X70N" SMD_0402_CAPC1005X70N 57.299,22.216 r180 top
C86 "SMD_0402_CAPC1005X70N" SMD_0402_CAPC1005X70N 62.699,13.816 r0 top
C87 "SMD_0402_CAPC1005X70N" SMD_0402_CAPC1005X70N 42.699,4.216 r0 top
C88 "SMD_0402_CAPC1005X70N" SMD_0402_CAPC1005X70N 37.299,4.216 r180 top
C89 "SMD_0402_CAPC1005X70N" SMD_0402_CAPC1005X70N 42.699,-4.184 r0 top
C90 "SMD_0402_CAPC1005X70N" SMD_0402_CAPC1005X70N 62.699,-13.784 r0 top
C91 "SMD_0402_CAPC1005X70N" SMD_0402_CAPC1005X70N 57.299,-13.784 r180 top
C92 "SMD_0402_CAPC1005X70N" SMD_0402_CAPC1005X70N 62.699,-22.184 r0 top
C93 "SMD_0402_CAPC1005X70N" SMD_0402_CAPC1005X70N 62.699,-49.784 r0 top
C94 "SMD_0402_CAPC1005X70N" SMD_0402_CAPC1005X70N 57.299,-49.784 r180 top
C95 "SMD_0402_CAPC1005X70N" SMD_0402_CAPC1005X70N 62.699,-58.184 r0 top
C96 "SMD_0402_CAPC1005X70N" SMD_0402_CAPC1005X70N 37.299,-76.184 r180 top
C97 "SMD_0402_CAPC1005X70N" SMD_0402_CAPC1005X70N 37.299,-66.784 r180 top
C98 "SMD_0402_CAPC1005X70N" SMD_0402_CAPC1005X70N 42.699,-66.784 r0 top
C99 "SMD_0402_CAPC1005X70N" SMD_0402_CAPC1005X70N -22.701,-94.184 r180 top
C100 "SMD_0402_CAPC1005X70N" SMD_0402_CAPC1005X70N -22.701,-84.784 r180 top
C101 "SMD_0402_CAPC1005X70N" SMD_0402_CAPC1005X70N -17.301,-84.784 r0 top
C102 "SMD_0402_CAPC1005X70N" SMD_0402_CAPC1005X70N -42.701,-112.184 r180 top
C103 "SMD_0402_CAPC1005X70N" SMD_0402_CAPC1005X70N -42.701,-102.784 r180 top
C104 "SMD_0402_CAPC1005X70N" SMD_0402_CAPC1005X70N -37.301,-102.784 r0 top
C105 "SMD_0402_CAPC1005X70N" SMD_0402_CAPC1005X70N -62.701,-94.184 r180 top
C106 "SMD_0402_CAPC1005X70N" SMD_0402_CAPC1005X70N -62.701,-84.784 r180 top
C107 "SMD_0402_CAPC1005X70N" SMD_0402_CAPC1005X70N -57.301,-84.784 r0 top
C108 "SMD_0402_CAPC1005X70N" SMD_0402_CAPC1005X70N 42.699,-67.784 r0 top
C109 "SMD_0402_CAPC1005X70N" SMD_0402_CAPC1005X70N 37.299,-67.784 r180 top
C110 "SMD_0402_CAPC1005X70N" SMD_0402_CAPC1005X70N 42.699,-76.184 r0 top
C111 "SMD_0402_CAPC1005X70N" SMD_0402_CAPC1005X70N -42.701,-76.184 r180 top
C112 "SMD_0402_CAPC1005X70N" SMD_0402_CAPC1005X70N -42.701,-66.784 r180 top
C113 "SMD_0402_CAPC1005X70N" SMD_0402_CAPC1005X70N -37.301,-66.784 r0 top
C114 "SMD_0402_CAPC1005X70N" SMD_0402_CAPC1005X70N -17.301,-85.784 r0 top
C115 "SMD_0402_CAPC1005X70N" SMD_0402_CAPC1005X70N -22.701,-85.784 r180 top
C116 "SMD_0402_CAPC1005X70N" SMD_0402_CAPC1005X70N -17.301,-94.184 r0 top
C117 "SMD_0402_CAPC1005X70N" SMD_0402_CAPC1005X70N -37.301,-103.784 r0 top
C118 "SMD_0402_CAPC1005X70N" SMD_0402_CAPC1005X70N -42.701,-103.784 r180 top
C119 "SMD_0402_CAPC1005X70N" SMD_0402_CAPC1005X70N -37.301,-112.184 r0 top
C120 "SMD_0402_CAPC1005X55N" SMD_0402_CAPC1005X55N 37.9,-30.6 r90 top
C121 "SMD_0402_CAPC1005X70N" SMD_0402_CAPC1005X70N -57.301,-85.784 r0 top
C122 "SMD_0402_CAPC1005X70N" SMD_0402_CAPC1005X70N -62.701,-85.784 r180 top
C123 "SMD_0402_CAPC1005X70N" SMD_0402_CAPC1005X70N -57.301,-94.184 r0 top
C124 "SMD_0402_CAPC1005X70N" SMD_0402_CAPC1005X70N -37.301,-67.784 r0 top
C125 "SMD_0402_CAPC1005X70N" SMD_0402_CAPC1005X70N -42.701,-67.784 r180 top
C126 "SMD_0402_CAPC1005X70N" SMD_0402_CAPC1005X70N -37.301,-76.184 r0 top
C127 "SMD_0402_CAPC1005X70N" SMD_0402_CAPC1005X70N -62.701,-58.184 r180 top
C128 "SMD_0402_CAPC1005X70N" SMD_0402_CAPC1005X70N -62.701,-48.784 r180 top
C129 "SMD_0402_CAPC1005X70N" SMD_0402_CAPC1005X70N -57.301,-48.784 r0 top
C130 "SMD_0402_CAPC1005X70N" SMD_0402_CAPC1005X70N -22.701,-58.184 r180 top
C131 "SMD_0402_CAPC1005X70N" SMD_0402_CAPC1005X70N -22.701,-48.784 r180 top
C132 "SMD_0402_CAPC1005X70N" SMD_0402_CAPC1005X70N -17.301,-48.784 r0 top
C133 "SMD_0402_CAPC1005X70N" SMD_0402_CAPC1005X70N 17.299,-58.184 r180 top
C134 "SMD_0402_CAPC1005X70N" SMD_0402_CAPC1005X70N 17.299,-48.784 r180 top
C135 "SMD_0402_CAPC1005X70N" SMD_0402_CAPC1005X70N 22.699,-48.784 r0 top